# Altium PCB m-BLANC.PcbDoc (part 6 of 15) (continued)
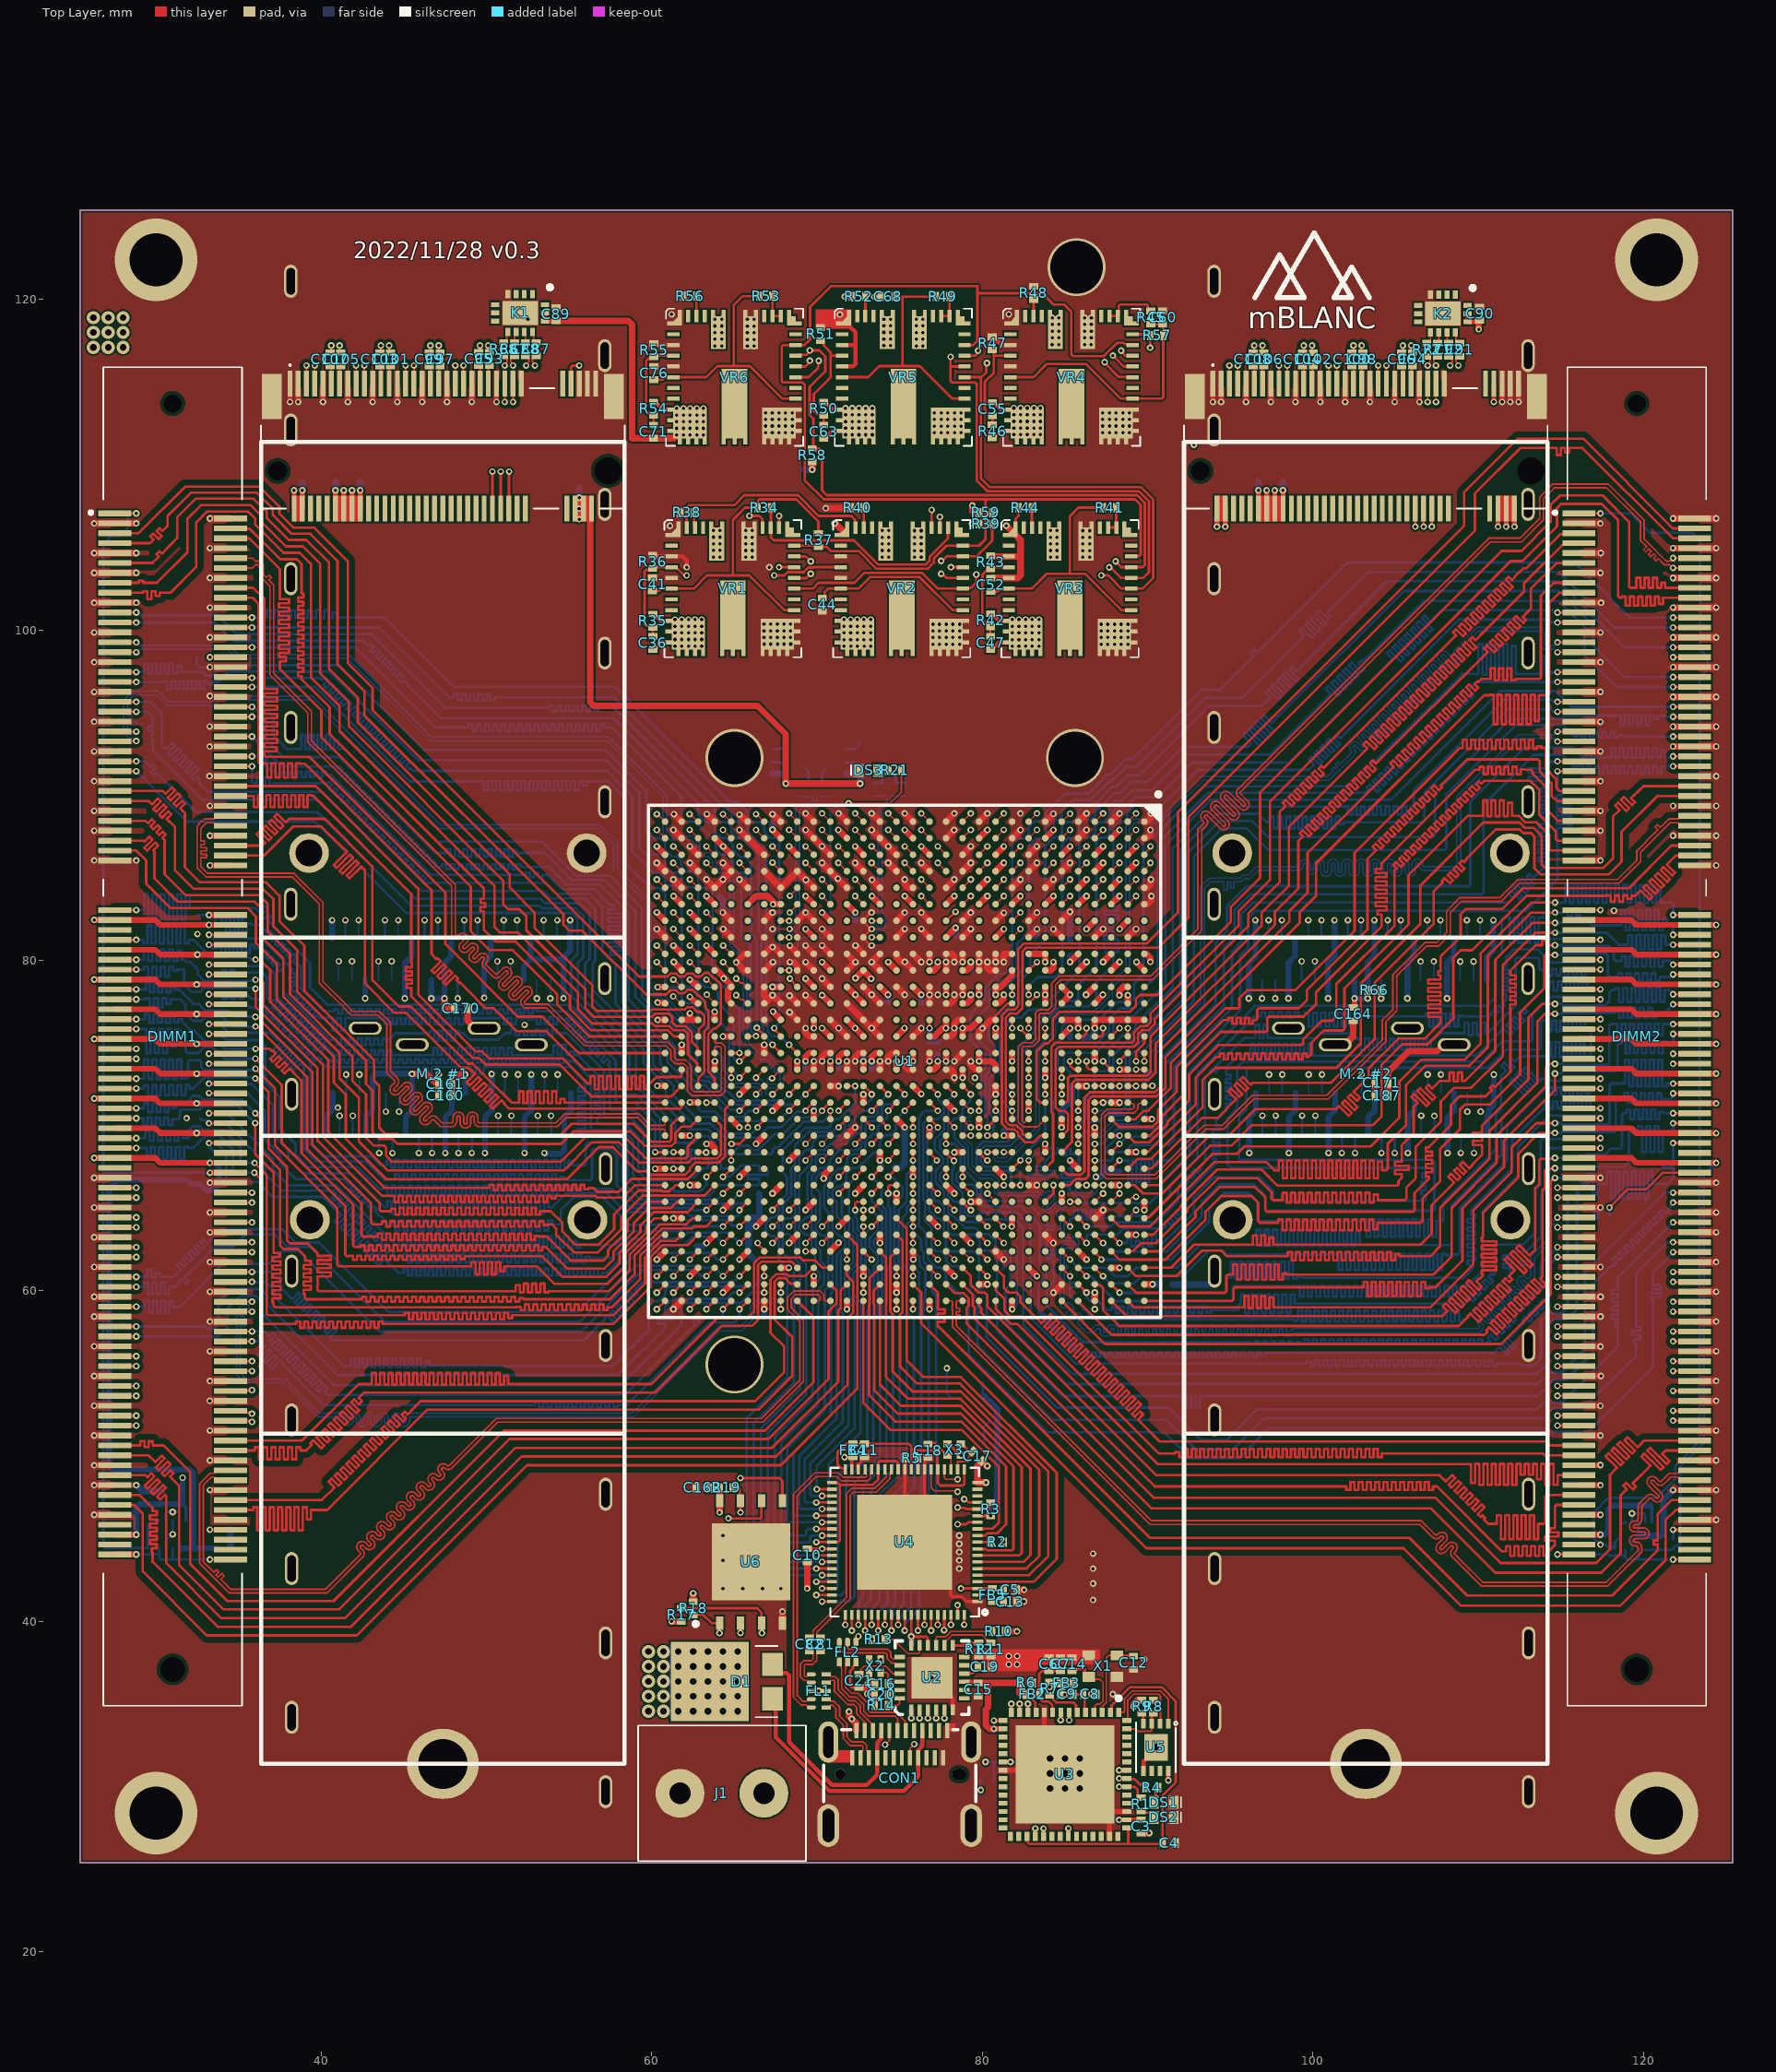
[diagram p0: Top Layer view]
## Nets (pads, with @x,y where several pads share a name; then routed paths per layer and width w, separated by ;. In a path a pad name is that pad's centre, name@x,y a point inside that pad or via, vN(x,y) a via of type N, cw(c..) or ccw(c..) an arc to the next point about the centre after c; other vN are vias at no path point) (continued)
DRAM2_A4: DIMM2.92 U1.B28 | length 65.4
  Top Layer w0.15: U1.B28@88.8,61.4 89.3,60.9 91.741,60.9 93.282,62.441 94.457,62.441 94.798,62.1 98.4,62.1 98.475,62.1 98.475,62.356 98.725,62.356 98.725,61.861 98.975,61.861 98.975,62.356 99.225,62.356 99.225,61.861 99.475,61.861 99.475,62.356 99.725,62.356 99.725,61.861 99.975,61.861 99.975,62.356 100.225,62.356 100.225,61.861 100.475,61.861 100.475,62.356 100.725,62.356 100.725,61.861 100.975,61.861 100.975,62.356 101.225,62.356 101.225,61.861 101.475,61.861 101.475,62.356 101.725,62.356 101.725,61.861 101.975,61.861 101.975,62.356 102.225,62.356 102.225,61.861 102.475,61.861 102.475,62.356 102.725,62.356 102.725,61.861 102.975,61.861 102.975,62.356 103.225,62.356 103.225,61.861 103.475,61.861 103.475,62.356 103.725,62.356 103.725,61.861 103.975,61.861 103.975,62.356 104.225,62.356 104.225,61.861 104.475,61.861 104.475,62.356 104.725,62.356 104.725,61.861 104.975,61.861 104.975,62.241 105.225,62.241 105.225,62.1 105.4,62.1 107.104,62.1 107.7,62.696 107.7,65.01 110.69,68.001 110.69,69.694 113.58,72.584 113.58,76.295 114.056,76.771 v1(114.65,76.771) ; v1(121.8,77.35) DIMM2.92@123.1,77.35
  Bottom Layer w0.15: v1(114.65,76.771) 115.097,76.771 115.151,76.825 118.213,76.825 118.288,76.825 118.288,77.138 118.538,77.138 118.538,76.531 118.788,76.531 118.788,77.138 119.038,77.138 119.038,76.531 119.288,76.531 119.288,77.138 119.538,77.138 119.538,76.531 119.788,76.531 119.788,77.138 120.038,77.138 120.038,76.531 120.288,76.531 120.288,77.138 120.538,77.138 120.538,76.531 120.788,76.531 120.788,76.825 121.081,76.825 121.275,76.825 v1(121.8,77.35)
DRAM2_A5: DIMM2.91 U1.C26 | length 73.9
  Top Layer w0.15: U1.C26@87.8,63.4 v1(88.3,62.9) ; DIMM2.91@116.1,77.65 117.221,77.65 v1(117.4,77.65)
  Bottom Layer w0.15: v1(88.3,62.9) 88.679,62.9 88.754,62.9 88.754,63.165 89.004,63.165 89.004,62.707 89.254,62.707 89.254,63.025 89.504,63.025 89.504,62.707 89.754,62.707 89.754,63.431 90.004,63.431 90.004,62.707 90.254,62.707 90.254,63.431 90.504,63.431 90.504,62.9 90.815,62.9 90.929,62.9 92.782,64.752 92.782,65.634 94.024,66.876 96.778,66.876 97.6,66.054 97.6,65.535 97.688,65.447 106.741,65.447 106.829,65.535 106.829,65.774 106.829,65.849 106.569,65.849 106.569,66.099 106.839,66.099 106.839,66.349 106.569,66.349 106.569,66.599 106.839,66.599 106.839,66.849 106.617,66.849 106.617,67.099 106.829,67.099 106.829,67.362 106.778,67.413 106.741,67.45 95.06,67.45 94.829,67.681 94.829,70.443 95.424,71.039 95.424,73.52 95.777,73.874 110.236,73.874 111.462,75.1 113.178,75.1 113.266,75.188 113.266,76.721 114.345,77.8 117,77.8 117.15,77.65 v1(117.4,77.65)
DRAM2_A6: DIMM2.90 U1.A28 | length 63.7
  Top Layer w0.15: U1.A28@89.8,61.4 91.405,61.4 92.808,62.804 96.291,62.804 96.366,62.804 96.366,63.365 96.616,63.365 96.616,62.791 96.866,62.791 96.866,63.365 97.116,63.365 97.116,62.791 97.366,62.791 97.366,63.232 97.616,63.232 97.616,62.804 97.997,62.804 106.524,62.804 107.179,63.459 107.179,65.188 108.496,66.504 108.549,66.557 108.183,66.923 108.36,67.1 108.756,66.704 108.932,66.881 108.537,67.277 108.713,67.453 109.109,67.058 109.286,67.234 108.89,67.63 109.067,67.807 109.463,67.411 109.64,67.588 109.609,67.618 109.696,67.704 110.23,68.239 110.23,68.751 110.23,68.826 109.677,68.826 109.677,69.076 110.241,69.076 110.241,69.326 109.677,69.326 109.677,69.576 110.23,69.576 110.23,69.863 110.23,69.992 113.042,72.804 113.042,76.542 113.863,77.363 v1(114.65,77.363) ; v1(121.8,77.95) DIMM2.90@123.1,77.95
  Bottom Layer w0.15: v1(114.65,77.363) 115.081,77.363 115.169,77.275 117.671,77.275 117.939,77.543 117.939,78.051 118.085,78.197 118.196,78.197 118.271,78.197 118.271,78.326 118.521,78.326 118.521,77.491 118.771,77.491 118.771,78.326 119.021,78.326 119.021,77.491 119.271,77.491 119.271,78.326 119.521,78.326 119.521,77.491 119.771,77.491 119.771,78.326 120.021,78.326 120.021,77.491 120.271,77.491 120.271,78.326 120.521,78.326 120.521,77.491 120.771,77.491 120.771,78.326 121.021,78.326 121.021,77.491 121.271,77.491 121.271,78.197 121.496,78.197 121.553,78.197 v1(121.8,77.95)
DRAM2_A7: DIMM2.86 U1.C27 | length 72.9
  Top Layer w0.15: U1.C27@87.8,62.4 88.3,61.9 91.076,61.9 93.5,64.324 93.5,64.793 94.458,65.751 96.275,65.751 96.688,65.337 96.688,64.22 96.776,64.132 97.826,64.132 97.901,64.132 97.901,64.324 98.151,64.324 98.151,63.664 98.401,63.664 98.401,64.324 98.651,64.324 98.651,63.664 98.901,63.664 98.901,64.324 99.151,64.324 99.151,63.664 99.401,63.664 99.401,64.324 99.651,64.324 99.651,63.664 99.901,63.664 99.901,64.324 100.151,64.324 100.151,63.664 100.401,63.664 100.401,64.324 100.651,64.324 100.651,63.664 100.901,63.664 100.901,64.324 101.151,64.324 101.151,63.664 101.401,63.664 101.401,64.324 101.651,64.324 101.651,63.664 101.901,63.664 101.901,64.324 102.151,64.324 102.151,63.664 102.401,63.664 102.401,64.324 102.651,64.324 102.651,63.664 102.901,63.664 102.901,64.324 103.151,64.324 103.151,63.664 103.401,63.664 103.401,64.324 103.651,64.324 103.651,63.74 103.901,63.74 103.901,64.132 105.58,64.132 106.544,64.132 106.632,64.22 106.632,65.568 107.7,66.637 107.7,68.6 108.899,69.799 108.899,70.979 109.209,71.289 110.729,71.289 112.542,73.102 112.542,76.851 114,78.309 114,80.245 114.088,80.333 v1(114.65,80.333) ; v1(121.8,79.15) DIMM2.86@123.1,79.15
  Bottom Layer w0.15: v1(114.65,80.333) 115.025,80.333 115.117,80.425 117.757,80.425 117.845,80.337 117.845,79.087 117.933,78.999 118.4,78.999 118.475,78.999 118.475,79.226 118.725,79.226 118.725,78.783 118.975,78.783 118.975,79.226 119.225,79.226 119.225,78.783 119.475,78.783 119.475,79.226 119.725,79.226 119.725,78.783 119.975,78.783 119.975,79.226 120.225,79.226 120.225,78.783 120.475,78.783 120.475,79.226 120.725,79.226 120.725,78.783 120.975,78.783 120.975,78.999 121.109,78.999 121.587,78.999 121.738,79.15 v1(121.8,79.15)
DRAM2_A8: DIMM2.89 U1.E26 | length 72.4
  Top Layer w0.15: U1.E26@85.8,63.4 v1(86.3,62.9) ; DIMM2.89@116.1,78.25 117.221,78.25 v1(117.4,78.25)
  Bottom Layer w0.15: v1(86.3,62.9) 86.3,63.327 86.388,63.415 88.186,63.415 88.555,63.784 90.974,63.784 91.066,63.875 91.119,63.928 91.005,64.042 91.182,64.218 91.437,63.964 91.613,64.14 91.359,64.395 91.536,64.572 91.79,64.317 91.967,64.494 91.712,64.749 91.889,64.925 92.144,64.671 92.321,64.848 92.179,64.989 92.311,65.12 92.311,65.128 92.311,65.899 94.14,67.728 94.14,67.904 94.14,67.979 93.936,67.979 93.936,68.229 94.391,68.229 94.391,68.479 93.936,68.479 93.936,68.729 94.391,68.729 94.391,68.979 93.936,68.979 93.936,69.229 94.391,69.229 94.391,69.479 93.936,69.479 93.936,69.729 94.391,69.729 94.391,69.979 94.14,69.979 94.14,70.1 94.14,70.317 94.771,70.948 94.771,71.008 94.771,71.083 94.741,71.083 94.741,71.333 95.025,71.333 95.025,71.583 94.741,71.583 94.741,71.833 95.025,71.833 95.025,72.083 94.741,72.083 94.741,72.333 95.025,72.333 95.025,72.583 94.741,72.583 94.741,72.833 95.025,72.833 95.025,73.083 94.754,73.083 94.754,73.333 94.771,73.333 94.771,73.528 94.94,73.696 95.494,74.25 96.14,74.25 96.215,74.25 96.215,74.949 96.465,74.949 96.465,74.195 96.715,74.195 96.715,74.949 96.965,74.949 96.965,74.195 97.215,74.195 97.215,74.949 97.465,74.949 97.465,74.195 97.715,74.195 97.715,74.949 97.965,74.949 97.965,74.195 98.215,74.195 98.215,74.949 98.465,74.949 98.465,74.195 98.715,74.195 98.715,74.949 98.965,74.949 98.965,74.195 99.215,74.195 99.215,74.949 99.465,74.949 99.465,74.195 99.715,74.195 99.715,74.949 99.965,74.949 99.965,74.25 100.098,74.25 109.914,74.25 111.312,75.648 111.365,75.702 111.344,75.723 111.521,75.899 111.942,75.478 112.118,75.655 111.697,76.076 111.874,76.253 112.295,75.832 112.472,76.009 112.051,76.43 112.228,76.606 112.649,76.186 112.825,76.362 112.404,76.783 112.581,76.96 112.785,76.757 112.962,76.933 112.779,77.116 113.102,77.439 114.06,78.396 114.237,78.396 114.312,78.396 114.312,78.72 114.562,78.72 114.562,78.188 114.812,78.188 114.812,78.72 115.062,78.72 115.062,78.188 115.312,78.188 115.312,78.72 115.562,78.72 115.562,78.188 115.812,78.188 115.812,78.72 116.062,78.72 116.062,78.188 116.312,78.188 116.312,78.72 116.562,78.72 116.562,78.384 116.812,78.384 116.812,78.396 116.976,78.396 117.006,78.366 117.11,78.261 117.389,78.261 v1(117.4,78.25)
DRAM2_A9: DIMM2.85 U1.E25 | length 72.1
  Top Layer w0.15: U1.E25@85.8,64.4 v1(86.3,63.9) ; DIMM2.85@116.1,79.45 117.221,79.45 v1(117.4,79.45)
  Bottom Layer w0.15: v1(86.3,63.9) 87.801,63.9 88.054,64.153 90.558,64.153 91.839,65.435 91.839,66.19 91.984,66.335 92.037,66.388 91.944,66.481 92.121,66.658 92.328,66.451 92.505,66.628 92.298,66.835 92.475,67.011 92.681,66.805 92.858,66.981 92.651,67.188 92.828,67.365 93.035,67.158 93.212,67.335 93.087,67.459 93.264,67.636 93.275,67.625 93.445,67.796 93.475,67.826 93.475,72.95 93.704,73.179 93.757,73.232 93.729,73.261 93.905,73.438 94.102,73.241 94.279,73.418 94.111,73.586 94.392,73.867 95.825,75.3 96.438,75.3 96.513,75.3 96.513,76.092 96.763,76.092 96.763,75.294 97.013,75.294 97.013,76.092 97.263,76.092 97.263,75.3 97.5,75.3 100.163,75.3 100.463,75.6 102.2,75.6 102.487,75.313 102.562,75.238 102.65,75.238 102.65,75.278 102.9,75.278 102.9,74.586 103.15,74.586 103.15,75.278 103.4,75.278 103.4,74.586 103.65,74.586 103.65,75.278 103.9,75.278 103.9,74.586 104.15,74.586 104.15,75.278 104.4,75.278 104.4,74.586 104.65,74.586 104.65,75.278 104.9,75.278 104.9,74.586 105.15,74.586 105.15,75.278 105.4,75.278 105.4,74.586 105.65,74.586 105.65,75.278 105.9,75.278 105.9,74.586 106.15,74.586 106.15,75.278 106.4,75.278 106.4,74.586 106.65,74.586 106.65,75.278 106.9,75.278 106.9,74.586 107.15,74.586 107.15,75.2 107.3,75.2 107.395,75.295 107.7,75.6 109.102,75.6 109.177,75.6 109.177,76.227 109.427,76.227 109.427,75.484 109.677,75.484 109.677,76.227 109.927,76.227 109.927,75.484 110.177,75.484 110.177,76.227 110.427,76.227 110.427,75.6 110.549,75.6 110.579,75.6 112.263,77.284 112.263,80.075 112.351,80.163 113.612,80.163 113.7,80.075 113.7,79.538 113.788,79.45 113.909,79.45 113.984,79.45 113.984,79.485 114.234,79.485 114.234,79.082 114.484,79.082 114.484,79.485 114.734,79.485 114.734,79.082 114.984,79.082 114.984,79.485 115.234,79.485 115.234,79.082 115.484,79.082 115.484,79.485 115.734,79.485 115.734,79.082 115.984,79.082 115.984,79.485 116.234,79.485 116.234,79.082 116.484,79.082 116.484,79.485 116.734,79.485 116.734,79.45 117.307,79.45 v1(117.4,79.45)
DRAM2_A10: DIMM2.107 U1.F27 | length 74.6
  Top Layer w0.15: U1.F27@84.8,62.4 v1(85.3,61.9) ; DIMM2.107@116.1,72.85 117.221,72.85 v1(117.4,72.85)
  Bottom Layer w0.15: v1(85.3,61.9) 85.8,61.4 87.5,61.4 88.007,60.893 88.793,60.893 89.3,61.4 91.79,61.4 93.167,62.777 96.507,62.777 96.582,62.777 96.582,63.707 96.832,63.707 96.832,62.73 97.082,62.73 97.082,63.707 97.332,63.707 97.332,62.73 97.582,62.73 97.582,63.707 97.832,63.707 97.832,62.73 98.082,62.73 98.082,63.707 98.332,63.707 98.332,62.73 98.582,62.73 98.582,63.707 98.832,63.707 98.832,62.73 99.082,62.73 99.082,63.707 99.332,63.707 99.332,62.73 99.582,62.73 99.582,63.707 99.832,63.707 99.832,62.73 100.082,62.73 100.082,63.707 100.332,63.707 100.332,62.73 100.582,62.73 100.582,63.707 100.832,63.707 100.832,62.73 101.082,62.73 101.082,63.707 101.332,63.707 101.332,62.73 101.582,62.73 101.582,63.707 101.832,63.707 101.832,62.73 102.082,62.73 102.082,63.707 102.332,63.707 102.332,62.73 102.582,62.73 102.582,63.551 102.832,63.551 102.832,62.777 104.304,62.777 108.312,62.777 108.4,62.865 108.4,65.22 111.41,68.23 111.41,70.429 112.745,71.764 112.798,71.817 111.915,72.699 112.092,72.876 112.984,71.985 113.16,72.162 112.269,73.053 112.446,73.23 113.337,72.338 113.514,72.515 112.684,73.345 112.861,73.522 113.682,72.701 113.78,72.799 113.826,72.845 113.841,72.845 114.327,72.845 114.471,72.7 114.907,72.7 115.057,72.85 v1(117.4,72.85)
DRAM2_A11: DIMM2.84 U1.A27 | length 62.3
  Top Layer w0.15: U1.A27@89.8,62.4 90.823,62.4 92.9,64.477 92.9,64.831 94.365,66.295 96.482,66.295 97.127,65.65 97.127,64.888 97.215,64.8 106.061,64.8 106.149,64.888 106.149,65.919 107.011,66.782 107.011,66.853 107.011,66.928 106.834,66.928 106.834,67.178 107.233,67.178 107.233,67.428 106.834,67.428 106.834,67.678 107.233,67.678 107.233,67.928 106.834,67.928 106.834,68.178 107.233,68.178 107.233,68.428 106.834,68.428 106.834,68.678 107.011,68.678 107.011,68.71 107.063,68.763 108.352,70.052 108.352,71.249 108.872,71.769 110.46,71.769 110.793,72.101 110.846,72.154 110.713,72.288 110.889,72.464 111.023,72.331 111.234,72.542 111.95,73.259 111.95,77.015 111.95,77.09 111.936,77.09 111.936,77.34 112.279,77.34 112.279,77.59 111.936,77.59 111.936,77.84 112.279,77.84 112.279,78.09 111.936,78.09 111.936,78.34 112.279,78.34 112.279,78.59 111.936,78.59 111.936,78.84 112.279,78.84 112.279,79.09 111.95,79.09 111.95,79.291 111.95,79.386 113.489,80.925 113.802,80.925 113.877,80.925 113.877,81.233 114.127,81.233 114.127,80.925 114.3,80.925 v1(114.65,80.925) ; v1(121.8,79.75) DIMM2.84@123.1,79.75
  Bottom Layer w0.15: v1(114.65,80.925) 115.062,80.925 115.112,80.875 117.903,80.875 118.2,80.578 118.2,80.061 118.288,79.973 118.6,79.973 118.675,79.973 118.675,80.252 118.925,80.252 118.925,79.635 119.175,79.635 119.175,80.252 119.425,80.252 119.425,79.635 119.675,79.635 119.675,80.252 119.925,80.252 119.925,79.635 120.175,79.635 120.175,80.252 120.425,80.252 120.425,79.635 120.675,79.635 120.675,80.252 120.925,80.252 120.925,79.635 121.175,79.635 121.175,79.973 121.266,79.973 121.577,79.973 v1(121.8,79.75)
DRAM2_A12: DIMM2.83 U1.F25 | length 73.1
  Top Layer w0.15: U1.F25@84.8,64.4 v1(85.3,63.9) ; DIMM2.83@116.1,80.05 117.221,80.05 v1(117.4,80.05)
  Bottom Layer w0.15: v1(85.3,63.9) 85.3,64.294 85.406,64.4 85.465,64.4 85.54,64.4 85.54,64.879 85.79,64.879 85.79,64.323 86.04,64.323 86.04,64.879 86.29,64.879 86.29,64.323 86.54,64.323 86.54,64.879 86.79,64.879 86.79,64.323 87.04,64.323 87.04,64.4 87.312,64.4 87.528,64.4 87.653,64.525 90.112,64.525 91.358,65.771 91.358,66.413 93.013,68.068 93.013,73.165 96.456,76.608 96.801,76.608 96.876,76.608 96.876,76.87 97.126,76.87 97.126,76.535 97.376,76.535 97.376,76.87 97.626,76.87 97.626,76.535 97.876,76.535 97.876,76.87 98.126,76.87 98.126,76.535 98.376,76.535 98.376,76.87 98.626,76.87 98.626,76.535 98.876,76.535 98.876,76.87 99.126,76.87 99.126,76.608 99.36,76.608 99.423,76.608 99.498,76.608 99.498,76.841 99.748,76.841 99.748,76 99.998,76 99.998,76.841 100.248,76.841 100.248,76 100.498,76 100.498,76.841 100.748,76.841 100.748,76 100.998,76 100.998,76.841 101.248,76.841 101.248,76 101.498,76 101.498,76.841 101.748,76.841 101.748,76 101.998,76 101.998,76.841 102.248,76.841 102.248,76 102.498,76 102.498,76.608 102.626,76.608 106.723,76.608 106.798,76.608 106.798,76.782 107.048,76.782 107.048,75.987 107.298,75.987 107.298,76.782 107.548,76.782 107.548,75.987 107.798,75.987 107.798,76.782 108.048,76.782 108.048,75.987 108.298,75.987 108.298,76.782 108.548,76.782 108.548,75.987 108.798,75.987 108.798,76.656 109.048,76.656 109.048,76.608 109.382,76.608 110.676,76.608 110.715,76.647 110.768,76.7 110.716,76.752 110.893,76.928 111.081,76.74 111.258,76.917 111.07,77.105 111.246,77.282 111.435,77.094 111.611,77.27 111.475,77.407 111.69,77.622 111.69,77.626 111.69,77.864 111.69,77.939 111.469,77.939 111.469,78.189 111.838,78.189 111.838,78.439 111.469,78.439 111.469,78.689 111.838,78.689 111.838,78.939 111.469,78.939 111.469,79.189 111.838,79.189 111.838,79.439 111.603,79.439 111.603,79.689 111.69,79.689 111.69,80.053 111.69,80.206 112.137,80.652 113.636,80.652 114.417,79.871 116.97,79.871 117.124,80.025 117.375,80.025 v1(117.4,80.05)
DRAM2_A13: DIMM2.119 U1.E29 | length 69.8
  Top Layer w0.15: U1.E29@85.8,60.4 v1(86.3,59.9) ; DIMM2.119@116.1,69.25 117.221,69.25 v1(117.4,69.25)
  Bottom Layer w0.15: v1(86.3,59.9) 86.31,59.89 86.31,59.609 86.519,59.4 86.981,59.4 87.54,58.841 87.741,58.841 87.816,58.841 87.816,59.047 88.066,59.047 88.066,58.655 88.316,58.655 88.316,59.047 88.566,59.047 88.566,58.655 88.816,58.655 88.816,59.047 89.066,59.047 89.066,58.655 89.316,58.655 89.316,59.047 89.566,59.047 89.566,58.655 89.816,58.655 89.816,59.047 90.066,59.047 90.066,58.655 90.316,58.655 90.316,59.047 90.566,59.047 90.566,58.655 90.816,58.655 90.816,59.047 91.066,59.047 91.066,58.655 91.316,58.655 91.316,59.047 91.566,59.047 91.566,58.655 91.816,58.655 91.816,59.047 92.066,59.047 92.066,58.655 92.316,58.655 92.316,59.047 92.566,59.047 92.566,58.655 92.816,58.655 92.816,59.047 93.066,59.047 93.066,58.655 93.316,58.655 93.316,59.047 93.566,59.047 93.566,58.667 93.816,58.667 93.816,58.841 94.124,58.841 95.433,58.841 95.521,58.929 95.521,59.144 95.573,59.196 95.609,59.232 95.648,59.232 95.648,59.793 95.898,59.793 95.898,58.664 96.148,58.664 96.148,59.793 96.398,59.793 96.398,58.664 96.648,58.664 96.648,59.793 96.898,59.793 96.898,58.664 97.148,58.664 97.148,59.793 97.398,59.793 97.398,58.664 97.648,58.664 97.648,59.793 97.898,59.793 97.898,58.664 98.148,58.664 98.148,59.793 98.398,59.793 98.398,58.664 98.648,58.664 98.648,59.793 98.898,59.793 98.898,59.232 99.033,59.232 109.201,59.232 109.269,59.299 109.322,59.352 109.211,59.463 109.388,59.64 109.67,59.357 109.847,59.534 109.564,59.817 109.741,59.993 110.024,59.711 110.201,59.887 109.918,60.17 110.095,60.347 110.377,60.064 110.554,60.241 110.271,60.524 110.448,60.701 110.731,60.418 110.908,60.595 110.625,60.877 110.802,61.054 110.913,60.943 111.019,61.049 111.019,61.094 111.019,62.71 111.107,62.798 112.707,62.798 113.46,63.55 113.46,66.099 113.775,66.415 113.775,69.099 113.863,69.187 117.026,69.187 117.089,69.25 v1(117.4,69.25)
DRAM2_A14: DIMM2.80 U1.B27 | length 71.4
  Top Layer w0.15: U1.B27@88.8,62.4 88.814,62.414 89.12,62.414 89.599,62.893 90.496,62.893 92.4,64.796 92.4,64.957 94.256,66.813 96.657,66.813 97.5,65.97 97.5,65.587 97.588,65.499 98.1,65.499 98.175,65.499 98.175,65.937 98.425,65.937 98.425,65.337 98.675,65.337 98.675,65.937 98.925,65.937 98.925,65.337 99.175,65.337 99.175,65.937 99.425,65.937 99.425,65.337 99.675,65.337 99.675,65.937 99.925,65.937 99.925,65.337 100.175,65.337 100.175,65.937 100.425,65.937 100.425,65.337 100.675,65.337 100.675,65.937 100.925,65.937 100.925,65.337 101.175,65.337 101.175,65.937 101.425,65.937 101.425,65.337 101.675,65.337 101.675,65.937 101.925,65.937 101.925,65.337 102.175,65.337 102.175,65.937 102.425,65.937 102.425,65.337 102.675,65.337 102.675,65.937 102.925,65.937 102.925,65.337 103.175,65.337 103.175,65.937 103.425,65.937 103.425,65.337 103.675,65.337 103.675,65.83 103.925,65.83 103.925,65.499 105.259,65.499 105.567,65.499 105.655,65.587 105.655,66.255 106.228,66.828 106.228,68.734 107.738,70.245 107.738,71.472 108.561,72.295 109.595,72.295 111.502,74.202 111.502,79.733 113.451,81.682 v1(114.658,81.682) ; v1(121.8,80.95) DIMM2.80@123.1,80.95
  Bottom Layer w0.15: v1(114.658,81.682) 117.772,81.682 118.505,80.95 119,80.95 119.075,80.95 119.075,81.521 119.325,81.521 119.325,80.657 119.575,80.657 119.575,81.521 119.825,81.521 119.825,80.657 120.075,80.657 120.075,81.521 120.325,81.521 120.325,80.657 120.575,80.657 120.575,81.521 120.825,81.521 120.825,80.657 121.075,80.657 121.075,81.521 121.325,81.521 121.325,80.95 121.55,80.95 v1(121.8,80.95)
DRAM2_A15: DIMM2.78 U1.A26 | length 70.5
  Top Layer w0.15: U1.A26@89.8,63.4 90.319,63.4 92,65.081 92,65.145 94.204,67.35 96.89,67.35 97.873,66.367 105.083,66.367 105.171,66.455 105.171,66.64 105.375,66.844 105.375,66.996 105.375,67.071 104.969,67.071 104.969,67.321 105.811,67.321 105.811,67.571 104.969,67.571 104.969,67.821 105.375,67.821 105.375,68.012 105.375,68.815 106.1,69.54 106.1,71.131 106.285,71.315 106.338,71.369 105.957,71.749 106.134,71.926 106.875,71.184 107.052,71.361 106.31,72.103 106.487,72.28 107.229,71.538 107.405,71.715 106.827,72.293 107.004,72.47 107.221,72.252 107.433,72.464 107.681,72.712 108.2,72.712 108.275,72.712 108.275,73.22 108.525,73.22 108.525,72.672 108.775,72.672 108.775,73.22 109.025,73.22 109.025,72.712 109.195,72.712 109.212,72.712 111.033,74.533 111.033,80.019 113.289,82.275 v1(114.658,82.275) ; v1(121.8,81.55) DIMM2.78@123.1,81.55
  Bottom Layer w0.15: v1(114.658,82.275) 116.725,82.275 116.88,82.12 118.592,82.12 118.667,82.12 118.667,83.052 118.917,83.052 118.917,81.832 119.167,81.832 119.167,83.052 119.417,83.052 119.417,81.832 119.667,81.832 119.667,83.052 119.917,83.052 119.917,81.832 120.167,81.832 120.167,83.052 120.417,83.052 120.417,81.832 120.667,81.832 120.667,83.052 120.917,83.052 120.917,81.832 121.167,81.832 121.167,82.565 121.417,82.565 121.417,82.12 121.499,82.12 121.712,82.12 121.8,82.032 v1(121.8,81.55)
DRAM2_BA0: DIMM2.109 U1.D28 | length 69.7
  Top Layer w0.15: U1.D28@86.8,61.4 v1(87.3,60.9) ; DIMM2.109@116.1,72.25 117.221,72.25 v1(117.4,72.25)
  Bottom Layer w0.15: v1(87.3,60.9) 87.746,60.454 89.154,60.454 89.623,60.923 92.169,60.923 93.695,62.449 94.561,62.449 94.808,62.202 101.218,62.202 101.293,62.202 101.293,62.227 101.543,62.227 101.543,61.261 101.793,61.261 101.793,62.227 102.043,62.227 102.043,61.261 102.293,61.261 102.293,62.227 102.543,62.227 102.543,61.261 102.793,61.261 102.793,62.227 103.043,62.227 103.043,61.261 103.293,61.261 103.293,62.227 103.543,62.227 103.543,61.261 103.793,61.261 103.793,62.227 104.043,62.227 104.043,61.261 104.293,61.261 104.293,62.227 104.543,62.227 104.543,61.261 104.793,61.261 104.793,62.227 105.043,62.227 105.043,61.261 105.293,61.261 105.293,62.227 105.543,62.227 105.543,61.261 105.793,61.261 105.793,62.227 106.043,62.227 106.043,61.261 106.293,61.261 106.293,62.227 106.543,62.227 106.543,61.261 106.793,61.261 106.793,62.227 107.043,62.227 107.043,61.261 107.293,61.261 107.293,62.227 107.543,62.227 107.543,61.261 107.793,61.261 107.793,62.227 108.043,62.227 108.043,62.15 108.293,62.15 108.293,62.202 108.407,62.202 108.77,62.202 108.913,62.345 108.913,65.054 111.749,67.89 111.749,69.939 114.06,72.25 114.186,72.25 114.261,72.25 114.261,72.307 114.511,72.307 114.511,71.872 114.761,71.872 114.761,72.307 115.011,72.307 115.011,71.872 115.261,71.872 115.261,72.307 115.511,72.307 115.511,71.872 115.761,71.872 115.761,72.307 116.011,72.307 116.011,71.872 116.261,71.872 116.261,72.307 116.511,72.307 116.511,71.92 116.761,71.92 116.761,72.25 117.116,72.25 v1(117.4,72.25)
DRAM2_BA1: DIMM2.108 U1.B30 | length 65.9
  Top Layer w0.15: U1.B30@88.8,59.4 89.2,59 95.785,59 95.86,59 95.86,59.692 96.11,59.692 96.11,58.97 96.36,58.97 96.36,59.692 96.61,59.692 96.61,58.97 96.86,58.97 96.86,59.692 97.11,59.692 97.11,58.97 97.36,58.97 97.36,59.61 97.61,59.61 97.61,59 98.101,59 107.1,59 109.7,61.6 109.7,64.859 112.021,67.18 112.021,68.663 113.512,70.154 v1(114.65,70.154) ; v1(121.8,72.55) DIMM2.108@123.1,72.55
  Bottom Layer w0.15: v1(114.65,70.154) 115.02,70.154 115.099,70.075 117.862,70.075 117.95,70.163 117.95,72.462 118.038,72.55 118.806,72.55 118.881,72.55 118.881,73.986 119.131,73.986 119.131,72.378 119.381,72.378 119.381,73.986 119.631,73.986 119.631,72.378 119.881,72.378 119.881,73.986 120.131,73.986 120.131,72.378 120.381,72.378 120.381,73.986 120.631,73.986 120.631,72.378 120.881,72.378 120.881,73.986 121.131,73.986 121.131,72.378 121.381,72.378 121.381,72.55 121.536,72.55 v1(121.8,72.55)
DRAM2_BA2: DIMM2.79 U1.G24 | length 76.6
  Top Layer w0.15: U1.G24@83.8,65.4 84.3,65.9 v1(84.3,66.4) ; DIMM2.79@116.1,81.25 117.221,81.25 v1(117.4,81.25)
  Bottom Layer w0.15: v1(84.3,66.4) 84.275,66.425 83.869,66.425 83.782,66.513 83.782,66.713 83.782,66.788 82.774,66.788 82.774,67.038 84.412,67.038 84.412,67.288 83.222,67.288 83.222,67.538 83.782,67.538 83.782,67.689 83.782,67.808 84.337,68.364 84.497,68.364 84.572,68.364 84.572,68.609 84.822,68.609 84.822,68.202 85.072,68.202 85.072,68.609 85.322,68.609 85.322,68.275 85.572,68.275 85.572,68.364 85.713,68.364 85.75,68.364 85.838,68.276 85.838,67.581 85.75,67.493 85.371,67.493 85.289,67.411 85.283,67.405 85.283,67.336 85.431,67.336 85.431,67.086 84.777,67.086 84.777,66.836 85.431,66.836 85.431,66.586 84.893,66.586 84.893,66.336 85.283,66.336 85.283,66.1 85.384,65.999 86.063,65.32 90.141,65.32 90.867,66.046 90.867,66.614 92.532,68.279 92.532,73.285 96.497,77.249 110.521,77.249 111.08,77.808 111.08,80.094 111.443,80.457 111.443,82.512 111.531,82.6 111.598,82.6 111.673,82.6 111.673,82.612 111.923,82.612 111.923,81.066 112.173,81.066 112.173,82.612 112.423,82.612 112.423,81.066 112.673,81.066 112.673,82.612 112.923,82.612 112.923,81.066 113.173,81.066 113.173,82.612 113.423,82.612 113.423,81.066 113.673,81.066 113.673,82.612 113.923,82.612 113.923,82.6 114.004,82.6 114.088,82.6 114.176,82.512 114.176,81.388 114.264,81.3 117.187,81.3 117.19,81.298 117.352,81.298 v1(117.4,81.25)
DRAM2_CAS#: DIMM2.115 U1.E28 | length 68.3
  Top Layer w0.15: U1.E28@85.8,61.4 v1(86.3,60.9) ; DIMM2.115@116.1,70.45 v1(117.4,70.45)
  Bottom Layer w0.15: v1(86.3,60.9) 86.321,60.879 86.58,60.879 88.074,59.385 95.061,59.385 95.149,59.473 95.149,60.203 95.237,60.291 98.874,60.291 98.949,60.291 98.949,60.32 99.199,60.32 99.199,59.647 99.449,59.647 99.449,60.32 99.699,60.32 99.699,59.647 99.949,59.647 99.949,60.32 100.199,60.32 100.199,59.647 100.449,59.647 100.449,60.32 100.699,60.32 100.699,59.647 100.949,59.647 100.949,60.32 101.199,60.32 101.199,59.647 101.449,59.647 101.449,60.32 101.699,60.32 101.699,59.647 101.949,59.647 101.949,60.32 102.199,60.32 102.199,59.647 102.449,59.647 102.449,60.32 102.699,60.32 102.699,59.647 102.949,59.647 102.949,60.32 103.199,60.32 103.199,59.647 103.449,59.647 103.449,60.32 103.699,60.32 103.699,59.647 103.949,59.647 103.949,60.32 104.199,60.32 104.199,59.647 104.449,59.647 104.449,60.32 104.699,60.32 104.699,59.647 104.949,59.647 104.949,60.32 105.199,60.32 105.199,59.647 105.449,59.647 105.449,60.32 105.699,60.32 105.699,59.647 105.949,59.647 105.949,60.32 106.199,60.32 106.199,59.647 106.449,59.647 106.449,60.32 106.699,60.32 106.699,59.647 106.949,59.647 106.949,60.32 107.199,60.32 107.199,59.647 107.449,59.647 107.449,60.32 107.699,60.32 107.699,59.647 107.949,59.647 107.949,60.32 108.199,60.32 108.199,59.647 108.449,59.647 108.449,60.32 108.699,60.32 108.699,59.942 108.949,59.942 108.949,60.291 109.275,60.291 109.335,60.291 110.297,61.253 110.297,64.872 112.417,66.991 112.417,68.731 114.302,70.617 117.166,70.617 117.332,70.45 v1(117.4,70.45)
DRAM2_CK0_N: DIMM2.103 U1.C24 | length 65.2
  Top Layer w0.1: U1.C24@87.8,65.4 v1(88.3,65.9) ; DIMM2.103@116.1,74.05 117.221,74.05 v1(117.4,74.05)
  InLayer2 (Signal) w0.1: v1(88.3,65.9) 87.913,65.9 87.913,66.7 87.923,66.711 87.958,66.746 88.1,66.887 88.129,66.858 88.271,66.999 88.241,67.029 88.336,67.124 100.499,67.124 100.788,66.835 100.915,66.708 101.006,66.708 101.168,66.708 ccw(c101.168,67.033) 101.493,67.033 ; 101.493,67.034 cw(c101.593,67.034) 101.693,67.034 101.693,66.768 ccw(c102.018,66.768) 102.343,66.768 102.343,67.034 cw(c102.443,67.034) 102.543,67.034 102.543,66.768 ccw(c102.868,66.768) 103.193,66.768 103.193,67.034 cw(c103.293,67.034) 103.393,67.034 103.393,66.768 ccw(c103.718,66.768) 104.043,66.768 104.043,67.034 cw(c104.143,67.034) 104.243,67.034 104.243,66.768 ccw(c104.568,66.768) 104.893,66.768 104.893,67.034 cw(c104.993,67.034) 105.093,67.034 105.093,66.768 ccw(c105.418,66.768) 105.743,66.768 105.743,67.034 cw(c105.843,67.034) 105.943,67.034 105.943,66.768 ccw(c106.268,66.768) 106.593,66.768 106.593,67.034 cw(c106.693,67.034) 106.793,67.034 106.793,66.768 ccw(c107.118,66.768) 107.443,66.768 107.443,67.034 cw(c107.543,67.034) 107.643,67.034 107.643,66.768 ccw(c107.968,66.768) 108.293,66.768 108.293,67.034 cw(c108.393,67.034) 108.493,67.034 108.493,66.768 ccw(c108.818,66.768) 109.143,66.768 109.143,67.034 cw(c109.243,67.034) 109.343,67.034 109.343,66.768 ccw(c109.668,66.768) 109.993,66.768 109.993,67.034 cw(c110.093,67.034) 110.193,67.034 ; 110.193,67.033 ccw(c110.518,67.033) 110.518,66.708 110.862,66.708 111.033,66.879 111.341,67.187 111.341,72.226 111.341,72.241 111.4,72.3 111.486,72.3 ccw(c111.486,72.625) 111.811,72.625 111.811,74.282 cw(c111.911,74.282) 112.011,74.282 112.011,72.601 ccw(c112.336,72.601) 112.661,72.601 112.661,74.282 cw(c112.761,74.282) 112.861,74.282 112.861,72.601 ccw(c113.186,72.601) 113.511,72.601 113.511,74.167 cw(c113.611,74.167) 113.711,74.167 113.711,72.625 ccw(c114.036,72.625) 114.036,72.3 114.455,72.3 114.664,72.3 114.822,72.3 114.985,72.3 ccw(c114.985,72.625) 115.31,72.625 115.31,73.877 cw(c115.41,73.877) 115.41,73.977 cw(c115.41,73.877) 115.51,73.877 115.51,72.625 ccw(c115.835,72.625) 115.835,72.3 116.58,72.3 116.727,72.3 116.918,72.49 116.918,74.179 116.976,74.237 117.213,74.237 v1(117.4,74.05)